# Allegro board STANDARD.brd (continued)
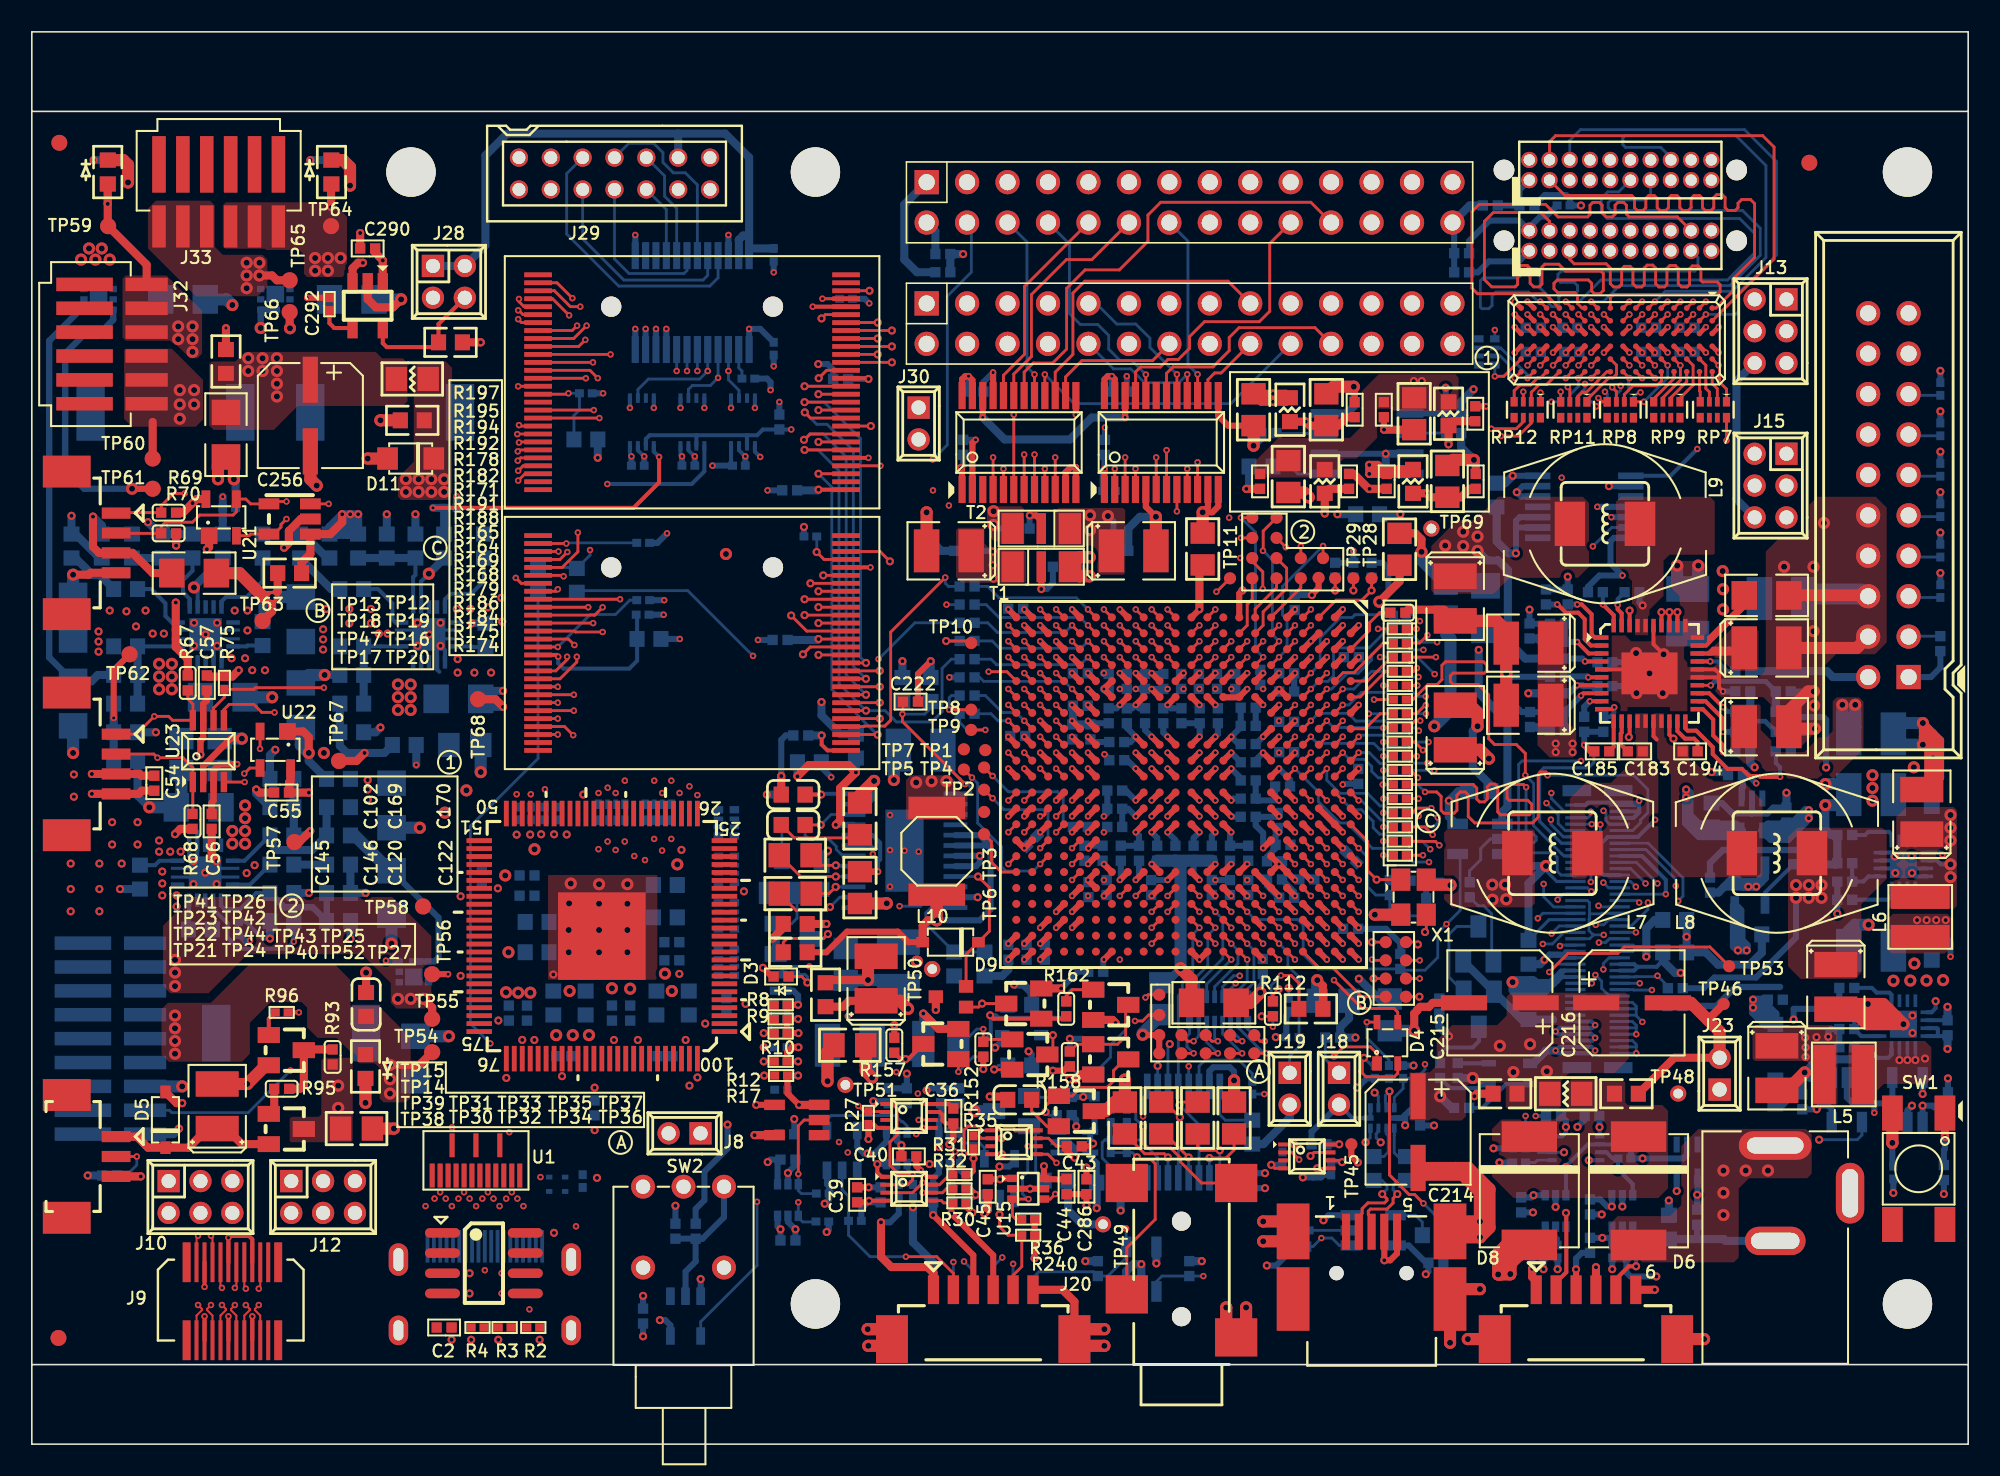
[diagram p0: board, top side]
## Routing (per net, layer and track width the routed paths; a pad name or vN(x,y) marks a point on that pad's centre or on a via; arc(x,y) is an arc through that point) (continued)
P1_A2: length 1.4
  TOP w0.178: RP7.8 v3(106.42,63.06)
P1_FIELD: length 8.8
  TOP w0.178: U7.W14 v3(64.32,38.45) ; TP4.1 v3(60.34,41.98)
  BOTTOM w0.178: v3(64.32,38.45) 64.77,38.89 64.77,40.65 64.42,40.99 61.33,40.99 v3(60.34,41.98)
P1P2V: length 87.2
  TOP w0.381: U7.U17 v3(66.32,35.45) U7.U18 ; U7.U16 v3(66.32,36.45) ; v3(78.32,36.45) U7.E17 v3(79.32,35.45) ; v3(78.32,36.45) U7.F16 ; v3(78.32,36.45) U7.F17 ; U7.F5 v3(78.32,48.45) ; U7.R17 v3(68.32,35.45) ; U7.F12 v3(78.32,40.45) ; U7.N17 v3(70.32,36.45) ; U7.U5 v3(66.32,48.45) ; U7.M6 v3(71.32,46.45) ; U7.M5 v3(72.32,48.45) ; U7.K17 v3(74.32,36.45) ; U7.G6 v3(77.32,46.45) ; U7.L17 v3(73.32,35.45) ; U7.F7 v3(78.32,46.45) ; U7.P6 v3(69.32,46.45) ; U7.R6 v3(68.32,46.45) ; U7.G5 v3(77.32,48.45) ; U7.P17 v3(69.32,35.45) ; U7.U6 v3(66.32,47.45) ; U7.G17 U7.F18 v3(78.32,34.45) ; U7.K6 v3(74.32,46.45) ; U7.E12 v3(79.32,40.45) ; U7.U7 v3(66.32,46.45) ; U7.L6 v3(73.32,46.45) ; U7.E6 v3(78.32,47.45) U7.F6
  TOP w0.508: 84.8,61.25 C120.1 ; 84.8,61.25 84.52,61.53 v1(83.99,61.53) ; 84.8,61.25 85.37,61.25 ; C120.1 85.37,61.25 ; C120.1 84.56,60.96 ; C120.1 85.82,60.96 ; v1(83.99,61.53) v1(83.99,60.96) 84.56,60.96 ; v1(83.99,61.53) 84.56,60.96 ; FB1.1 78.76,65.5 v1(77.95,65.5) 77.22,65.5 C100.1 v1(77.95,66) ; FB1.1 78.76,66 v1(77.95,66) ; FB1.1 78.2,65.75 v1(77.95,66) ; 85.37,61.25 86.1,61.25 ; 85.82,60.96 86.46,60.96 FB2.1 86.1,61.25 ; 85.82,60.96 86.1,61.25
  TOP w0.762: v2(72.14,29.89) 72.15,29.89 72.83,29.21 C103.1 ; v2(91.5,43.07) 90.95,43.63 C184.2
  4--SIG w0.381: v3(72.32,48.45) 71.83,47.95 71.83,46.95 v3(71.32,46.45)
  6-SIG w0.38: v1(83.33,29.24) 82.64,29.94 72.19,29.94 v2(72.14,29.89)
  BOTTOM w0.38: C97.1 C86.1 ; C95.1 C112.1 76.97,40.45 v3(78.32,40.45) 78.08,40.7 C108.1
  BOTTOM w0.381: C118.1 70.54,36.66 v3(70.32,36.45) ; v3(71.32,46.45) 71.54,46.24 C119.1 ; v3(68.32,35.45) 68.39,35.51 C94.1 ; C96.1 69.11,46.24 v3(69.32,46.45) 69.54,46.24 C116.1 ; C86.1 77.03,46.45 v3(77.32,46.45) ; C88.1 77.57,35.1 C104.1 ; v3(73.32,35.45) 72.96,35.81 C92.1 ; C78.1 60.29,56.13 v1(60.34,56.08) ; C93.1 69.53,35.66 v3(69.32,35.45) ; C98.1 68.11,46.24 v3(68.32,46.45)
  BOTTOM w0.508: C84.1 84.61,27.97 v1(83.33,29.24) ; v2(72.14,29.89) 71.24,28.99 C85.1 ; R115.2 v1(93.98,47.18)
  BOTTOM w0.762: C91.1 72.14,36.34 v2(72.14,29.89) ; C91.1 C118.1 ; C91.1 C92.1 C105.1
  vias: v1(60.34,55.23) v1(60.39,54.38) v2(91.72,35.16) v2(91.73,34.21) v2(92.52,35.16) v2(92.59,34.24)
P1P2V_FPD: length 7.4
  TOP w0.381: U7.U11 v3(66.32,42.45) ; U7.V12 v3(65.32,40.45) ; U7.V11 v3(65.32,42.45) ; U7.U12 v3(66.32,40.45)
  TOP w0.76: v2(66.43,55.73) 65.79,55.73 T1.3 65.79,54.53 v2(66.43,54.53)
  BOTTOM w0.381: C80.1 65.83,55.13 v2(66.43,54.53)
P1P2V_PLLD: length 32.6
  TOP w0.381: U7.E13 v3(79.32,39.45)
  TOP w0.508: C122.2 90.29,60.03 89.76,59.5 C121.1 87.85,59.5 v1(87.6,59.74) FB2.2
  6-SIG w0.381: v1(87.6,59.74) 87.19,59.33 81.14,59.33 80.25,58.44 80.25,56.04 78.83,54.62 78.83,39.95 v3(79.32,39.45)
P1P2V_PLLM: length 32.8
  TOP w0.381: U7.E14 v3(79.32,38.45)
  TOP w0.508: C102.2 82.58,64.53 82.05,64 C101.1 80.26,64 v1(80.01,64.25) FB1.2
  6-SIG w0.381: v3(79.32,38.45) 78.82,38.95 78.12,38.95 77.83,39.24 77.83,62.07 v1(80.01,64.25)
P1P8V_LDO: length 122.4
  4--SIG w0.508: v1(87.29,66.8) 87.19,66.7 87.19,66.4 ; v1(87.29,66.8) 87.16,66.8 ; v1(87.29,66.8) 87.29,64.93 ; 87.16,66.8 86.79,66.43 ; 87.16,66.8 v1(86.79,66.8) ; 86.97,60.69 87.29,61.01 87.29,61.32 ; 86.97,60.69 85.18,58.9 ; 86.97,60.69 86.97,61 ; 91.7,47.65 92.42,47.65 94.24,45.82 97.22,45.82 101.9,41.13 v1(103.89,41.13) v1(103.89,40.63) 101.74,40.63 96.99,45.39 94.12,45.39 92.26,47.24 91.2,47.24 89.47,48.97 89.47,51.13 ; 91.7,47.65 91.3,47.65 90.05,48.89 ; 91.7,47.65 90.05,49.3 ; 86.79,66.43 86.79,62.63 ; 86.79,66.43 v1(86.79,66.8) ; 87.19,64.83 86.97,64.61 86.97,62.45 ; 87.19,64.83 87.19,66.4 ; 87.19,64.83 87.29,64.93 ; 85.18,56.26 85.18,58.44 ; 85.18,56.26 85.48,55.95 ; 85.18,56.26 85.18,55.95 ; 85.18,58.44 85.18,58.9 ; 85.18,58.44 84.95,58.67 ; 89.81,51.62 89.81,49.13 90.05,48.89 ; 89.81,51.62 85.48,55.95 ; 89.81,51.62 90.05,51.38 90.05,49.3 ; 87.19,66.4 v1(86.79,66.8) ; 89.47,51.13 89.47,51.66 85.18,55.95 ; 89.47,51.13 84.57,56.03 84.57,59.13 86.79,61.35 86.79,62.63 ; 85.18,58.9 84.95,58.67 ; 85.48,55.95 85.18,55.95 ; 86.97,61 84.95,58.98 84.95,58.67 ; 86.97,61 87.29,61.32 ; 86.97,61 86.97,62.45 ; 84.95,58.67 84.95,56.18 85.18,55.95 ; 86.79,62.63 86.97,62.45 ; 87.29,64.93 87.29,61.32 ; 90.05,49.3 90.05,48.89
  BOTTOM w0.508: 107.16,38.78 U34.5 107.26,38.46 ; 107.16,38.78 C189.2 104.84,38.78 ; 107.16,38.78 107.01,38.93 104.69,38.93 ; 104.71,38.21 103.89,39.03 103.89,39.73 ; 104.71,38.21 105.41,38.21 ; 104.71,38.21 104.96,38.46 107.26,38.46 ; 104.09,39.53 104.69,38.93 ; 104.09,39.53 104.09,40.93 v1(103.89,41.13) v1(103.89,40.63) 103.89,39.73 ; 104.09,39.53 103.89,39.73 ; 104.69,38.93 104.84,38.78 ; 104.84,38.78 105.41,38.21 ; 107.26,38.46 107.02,38.21 105.41,38.21
P1P8V_LED: length 8.2
  TOP w0.254: U50.5 22.04,69.18 22.29,68.93 25.24,68.93 C291.2 25.54,70.38 J28.4
P1P8V_TIN: length 67.6
  4--SIG w0.508: v1(66.87,14.83) 66.87,14.71 64.65,12.49 46.8,12.49 42.93,8.62 32.68,8.62 31.59,7.53 25.88,7.53 24.8,8.61 21.71,8.61 20.29,10.03 J12.6
  6-SIG w0.508: J10.6 13.89,13.23 18.99,13.23 J12.6
  BOTTOM w0.381: C287.2 66.87,17.66 66.47,18.07 U48.5
  BOTTOM w0.508: C287.2 v1(66.87,14.83)
P1P8V_TOUT: length 59.9
  6-SIG w0.508: v1(102.8,15.31) 103.3,15.81 v1(103.3,15.91) 103.68,16.29 103.68,18.32 109.99,24.63 109.99,39.59 110.86,40.46 110.86,55.56 J15.6
  BOTTOM w0.38: U49.5 v1(103.3,15.91)
  BOTTOM w0.508: C289.2 v1(102.8,15.31) ; J13.6 107.05,66.79 107.05,59.37 J15.6
P1P9V: length 58.1
  TOP w0.381: U7.E10 v3(79.32,43.45) ; U7.A4 v3(83.32,49.45) ; U7.E8 v3(79.32,45.45) ; U7.F10 v3(77.32,43.45) ; U7.F8 v3(77.32,44.45) ; U7.A11 v3(83.32,42.45)
  3-SIG w0.508: v2(111.59,34.33) 111.59,32.88 106.34,27.63 98.28,27.63 95.48,30.43 v1(94.99,30.43)
  BOTTOM w0.254: J27.P17 96.32,30.96 96.12,30.76 95.99,30.76 96.19,30.56 J27.P16
  BOTTOM w0.38: v2(110.79,34.33) 110.79,31.83 108.28,29.32 105.66,29.32 104.99,28.65 R189.1
  BOTTOM w0.381: C173.1 76.86,43.99 v3(77.32,44.45) ; C174.1 76.86,42.98 v3(77.32,43.45) ; v1(112.68,42.52) 112.68,45.51 112.52,45.68 110.8,45.68 R121.2
  BOTTOM w0.4: 95.99,30.76 95.32,30.76 v1(94.99,30.43)
  BOTTOM w0.508: C242.2 94.72,30.16 v1(94.99,30.43)
  BOTTOM w0.76: C178.1 90.68,51.13 89.78,52.03 C171.1 88.83,51.99 88.83,50.87 89.09,50.62 89.09,46.12 v2(88.07,45.11)
  vias: v2(110.79,35.13) v2(111.59,35.13) v2(112.39,35.13) v2(112.39,34.33)
P2_CLK: length 3.8
  TOP w0.178: TP6.1 60.26,37.87 60.26,36.57 60.88,35.95 U7.AB17
P2P5V: length 108.2
  3-SIG w0.508: TP69.1 88.6,58.24 v3(99.19,58.24)
  4--SIG w0.508: v1(111.59,39.83) 111.59,42.9 106.16,48.33 105.19,48.33 104.25,49.27 104.25,53.18 v3(99.19,58.24) ; v1(111.59,39.83) v1(111.59,39.33) 109.84,37.58 109.84,33.12 107.75,31.03 v1(107.69,31.03) 107.69,28.33 ; v1(111.59,39.83) 109.38,37.62 109.38,33.27 107.6,31.49 ; 107.69,28.33 107.6,28.42 107.6,31.49 ; 107.69,28.33 v1(108.09,27.93) v1(108.09,27.43) 107.14,28.38 v1(107.14,31.03) 107.6,31.49
  BOTTOM w0.381: U37.5 v3(99.19,58.24)
  BOTTOM w0.508: C187.1 110.02,39.06 109.84,38.88 ; C187.1 110.06,38.93 109.04,38.93 U34.4 ; C187.1 110.82,39.06 ; C187.1 110.19,38.23 109.79,38.23 ; 109.01,38.23 109.79,38.23 ; 109.01,38.23 U34.4 ; 109.01,38.23 109.21,38.03 109.59,38.03 ; 109.79,38.23 109.84,38.28 ; 109.79,38.23 109.59,38.03 ; 107.14,31.88 107.69,31.33 v1(107.69,31.03) ; 107.14,31.88 107.14,31.58 ; 107.14,31.88 C234.2 ; 111.32,39.06 110.82,39.06 ; 111.32,39.06 110.29,38.03 109.59,38.03 ; 111.32,39.06 v1(111.59,39.33) v1(111.59,39.83) ; 110.82,39.06 111.24,39.48 ; 108.84,26.38 FB6.1 109.49,27.03 ; 108.84,26.38 109.24,26.78 ; 108.84,26.38 108.44,26.78 ; 108.69,27.93 v1(108.09,27.93) v1(108.09,27.43) ; 108.69,27.93 108.69,27.03 ; 108.69,27.93 C239.2 109.02,27.5 109.49,27.03 ; U39.5 106.89,33.83 106.89,32.78 ; U39.5 106.94,32.83 ; U39.5 107.14,33.68 ; 108.69,27.03 108.59,27.13 108.59,27.43 ; 108.69,27.03 108.44,26.78 ; 106.94,32.83 106.89,32.78 ; 106.94,32.83 106.94,32.23 C234.2 ; C234.2 107.29,32.18 ; C234.2 106.89,31.78 ; C234.2 107.14,33.68 ; 107.29,32.18 107.29,31.43 ; 107.29,32.18 107.29,33.53 107.14,33.68 ; v1(108.09,27.43) 108.09,27.13 108.44,26.78 ; v1(108.09,27.43) 108.59,27.43 ; 107.14,31.58 v1(107.14,31.03) ; 107.14,31.58 107.29,31.43 ; 106.89,32.78 106.89,31.78 ; 111.24,39.48 v1(111.59,39.83) ; 111.24,39.48 111.04,39.48 ; 111.04,39.48 110.44,38.88 ; 111.04,39.48 111.39,39.83 v1(111.59,39.83) ; 110.44,38.88 109.84,38.28 ; 110.44,38.88 109.84,38.88 ; 109.84,38.28 109.84,38.88 ; 109.49,27.03 109.24,26.78 ; 109.84,38.88 109.53,38.57 U34.4 ; v1(107.14,31.03) 106.89,31.28 106.89,31.78 ; v1(107.14,31.03) v1(107.69,31.03) ; 108.59,27.43 109.24,26.78 ; 108.44,26.78 109.24,26.78 ; v1(107.69,31.03) 107.29,31.43
P3_CLK: length 10.5
  TOP w0.178: TP5.1 v3(59.04,41.88) ; U7.Y16 v3(63.32,36.45)
  BOTTOM w0.178: v3(63.32,36.45) 62.89,36.01 61.17,36.01 60.89,36.29 60.89,37.53 59.4,39.03 59.4,41.53 v3(59.04,41.88)
P3P3V: length 272.9
  TOP w0.178: v1(82.1,18.84) 82.09,18.83 U25.8 ; U20.43 v1(49.4,50.59)
  TOP w0.245: U20.29 49.97,43.59 49.6,43.96 v1(49.6,44.53)
  TOP w0.254: v1(53.1,17.6) 53.1,17.07 53.36,16.8 U12.1 ; v1(55.99,21.53) 56.15,21.37 U10.8 57.59,21.37 C36.1 ; U19.29 v1(49.4,59.97) ; v1(52.54,66.93) 52.5,66.97 U19.43 ; U14.8 61.77,19.72 61.61,19.88 v1(60.86,19.88)
  TOP w0.35: U6.L4 v3(97.13,68.58) ; U6.P4 v3(94.73,68.58) ; U6.F4 v3(101.93,68.58) ; U6.C4 v3(104.33,68.58)
  TOP w0.38: C286.1 v1(66.23,17.38) ; U15.1 60.86,16.7 v1(60.81,16.65) C45.1 ; v1(66.64,18.89) 66.63,18.89 66.46,18.72 C43.1 ; v1(59.07,14.55) 58.65,14.96 R30.1 ; C39.1 52.52,16.14 52.53,16.14 v1(52.55,16.14)
  TOP w0.381: U7.H17 v3(76.32,36.45) ; U9.1 v3(67.36,61.28) ; U7.AA22 v3(62.32,30.45) ; U7.N18 v3(70.32,34.45) ; U7.K5 v3(74.32,48.45) ; U7.AB1 v3(61.32,52.45) ; U7.T17 v3(67.32,36.45) ; U7.T18 v3(67.32,34.45) ; U7.K18 v3(74.32,34.45) ; U7.E1 v3(79.32,52.45) ; U7.V9 v3(65.32,44.45) ; U7.G22 v3(77.32,30.45) ; U8.1 58.42,61.25 v1(58.34,61.33) ; U7.AB15 v3(62.32,37.45) U7.AA15 ; U7.J5 v3(75.32,48.45) ; U7.V1 v3(65.32,52.45) ; U7.T6 v3(67.32,47.45) 67.82,47.95 U7.T5 ; U7.J6 74.84,46.93 75.8,46.93 U7.H6 v3(76.32,47.45) ; U7.T22 v3(67.32,30.45) ; U7.L5 v3(73.32,48.45) ; U7.U9 v3(66.32,44.45) ; U7.U14 v3(66.32,38.45) ; U7.P5 v3(69.32,48.45) ; U7.A16 v3(83.32,36.45) ; U7.F15 v3(77.32,37.45) ; U7.R5 v3(68.32,48.45) ; U7.H18 v3(76.32,34.45) ; U7.L1 v3(73.32,52.45) ; U7.E15 v3(79.32,37.45) ; U7.AB9 v3(61.32,44.45) ; U7.Y22 v3(63.32,30.45) ; U7.A20 v3(83.32,32.45) ; U7.AB21 v3(61.32,31.45) ; U7.N5 v3(70.32,48.45) ; U7.J17 v3(75.32,36.45) ; U7.F13 v3(78.32,39.45) ; U7.H5 v3(76.32,48.45) ; U7.J18 v3(75.32,34.45)
  TOP w0.4: v1(10.59,43.33) 10.59,44.21 10.76,44.38 U23.7 10.76,46.5 10.99,46.73 C57.1
  TOP w0.508: v1(19.49,58.43) 19.49,57.93 18.74,57.18 U44.1 17.49,55.93 16.94,55.38 C251.2 ; C54.2 6.88,42 6.77,42.11 J17.3 v1(3.77,42.11) ; U21.4 10.34,59.38 v1(10.09,59.13) 9.49,58.53 R69.2 ; R67.2 9.79,49.33 9.04,50.08 v1(9.04,52.88) ; R68.2 9.32,38.66 v1(8.99,38.33) ; U50.1 v1(22.04,74.38) 21.56,74.86 C290.1 ; U50.3 20.14,73.88 20.49,74.23 v1(20.79,74.23) ; C252.2 7.59,54.73 6.32,56 J16.3 4.22,56 3.84,56.38 v1(3.84,58.28) ; v3(73.32,52.45) 73.32,55.04 C125.1 ; C124.1 85.89,54.2 v2(84.62,52.93) ; 46.64,19.42 v1(45.38,19.42) ; R70.2 v1(9.06,56.46) ; v1(17.4,40.94) C55.2 16.15,41.57 16.25,41.67 U22.4
  3-SIG w0.381: v3(67.32,36.45) 66.83,35.95 66.83,34.94 v3(67.32,34.45)
  3-SIG w0.508: v1(35.49,16.73) 32.79,14.03 v1(32.79,13.28)
  6-SIG w0.508: v1(32.79,13.28) 32.79,7.46 v1(31.89,6.56)
  BOTTOM w0.245: v3(37.65,62.07) 37.56,62.16 U43.8 ; U41.8 40.73,62.16 v3(40.83,62.07)
  BOTTOM w0.254: C246.1 43.91,61.58 U40.8 ; 86.24,20.43 86.18,20.49 86.06,20.49 ; v1(98.45,19.92) 98.46,19.91 U18.1 ; C142.1 120.29,26.64 U29.14
  BOTTOM w0.38: U55.5 40.1,7.47 39.78,7.79 v1(39.44,7.79) ; C48.1 98.49,15.38 98.94,14.93 v1(99.22,14.93) 99.23,14.94 U17.1 ; U31.5 v1(118.74,22.01) ; C63.1 v1(82.1,18.84) ; C65.1 86.54,20.96 86.24,20.67 ; U27.10 86.06,20.49 86.24,20.67 ; C298.1 v1(38.39,6.78) ; v1(46.21,17.73) 46.37,17.88 C4.1 46.83,17.7 U4.1 ; R37.1 v1(95.82,10.99) ; U32.5 113.03,21.04 112.79,21.28 112.33,21.28 v1(112.09,21.04) C77.2 ; v1(86.24,20.04) 86.24,20.67 ; C76.2 v1(120.33,22.98) ; R233.1 41.69,14.78 42.24,15.33 42.24,17.13 43.69,18.58 v1(43.69,20.08) ; v1(52.55,16.14) 52.65,16.14 52.65,16.14 C37.1 ; v1(87.54,10.68) 87.7,10.84 C64.2 87.55,11.4 86.47,12.48 U26.5 ; v1(102.02,10.54) 100.39,10.54 100.14,10.79 R39.1 ; R81.2 R79.2 ; R41.1 v1(92.16,17.7) ; v1(66.64,18.89) 66.47,19.07 U48.4 66.74,19.89 C147.1 ; U49.4 104.6,15.68 v1(104.58,15.67) C288.1 ; v1(83.25,22.4) 83.84,22.99 R73.2 R72.2 ; v1(77.56,11.22) 78.14,11.22 79.09,12.18 R85.2 79.09,13.11 R88.1 ; R236.2 R99.2 ; R102.1 v1(116.9,15.79) ; U13.6 v1(56.37,17.6) ; U16.1 v1(94.31,15.64) 94.17,15.5 C46.1 ; U11.6 v1(53.1,17.6) ; C58.2 v1(77.44,17.03)
  BOTTOM w0.381: R107.1 v1(119.85,62.36) ; v3(78.32,39.45) 78.29,39.42 C152.1 76.86,38.87 77.32,38.4 v3(77.32,37.45) ; v1(58.34,61.33) 58.49,61.48 C33.1 ; v3(69.32,48.45) 69.38,48.4 C143.1 ; R108.1 v1(119.85,64.9) ; C249.1 v3(40.83,62.07) ; R105.1 v1(119.85,57.28) ; C163.1 66.65,44.12 C149.1 ; v3(67.32,39.45) 67.54,39.66 C167.1 C156.1 ; v2(84.62,52.93) 85.19,53.5 85.19,55.03 84.84,55.38 R80.2 ; C151.1 70.38,48.4 v3(70.32,48.45) ; R103.2 119.85,48.8 119.26,48.2 J24.1 ; C81.1 67.92,57.97 v2(67.57,58.31) ; C138.1 85.04,32.38 85.94,31.48 R234.1 ; R48.1 v3(35.88,66.03) ; R198.1 v3(46.95,65.49) ; U13.6 56.97,17.05 56.6,16.68 C41.1 ; v3(67.32,30.45) 67.28,30.41 C165.1 ; C141.1 66.32,38.46 v3(66.32,38.45) ; R51.1 v3(39.68,52.12) ; C50.1 v1(98.45,19.92) ; C166.1 67.54,38.66 v3(67.32,38.45) ; v3(46.39,66.23) 46.39,66.73 46.17,66.95 R199.1 ; R106.1 v1(119.85,59.82) ; C250.1 v3(37.65,62.07) ; R236.2 112.99,26.08 112.81,25.9 v1(112.81,25.6) ; R79.2 v3(82.99,56.13) ; v3(67.36,43.35) 67.66,43.05 C161.1 ; R109.1 v1(119.85,67.44) ; U37.2 v1(99.04,60.19) ; C34.1 67.36,62.13 v3(67.36,61.28) 67.25,61.17 R26.1 ; v3(52.59,71.68) 52.31,71.96 R49.1 ; R104.1 v1(119.85,54.74) ; v1(93,60.84) U37.14 ; U42.1 v3(45.04,70.08) 45.75,70.08 C247.1 ; C135.1 68.38,48.4 v3(68.32,48.45) ; C284.2 v1(52.54,66.93) ; R52.1 v1(48.49,57.63) ; v3(42.74,61.48) C246.1
  BOTTOM w0.508: 19.89,57.83 19.34,57.83 C282.2 ; 19.89,57.83 v1(20.49,58.43) ; 19.89,57.83 19.19,57.13 ; U30.5 v1(70.62,11.36) ; 108.59,35.33 108.59,35.53 ; 108.59,35.33 108.84,35.58 108.84,35.78 ; 108.59,35.33 v1(108.29,35.03) 108.09,35.03 ; 108.59,35.33 107.19,35.33 ; 108.59,35.53 108.09,35.03 ; 108.59,35.53 108.84,35.78 ; v1(45.38,19.42) 46.88,19.42 C5.1 ; 19.89,57.13 20.44,57.13 R224.2 20.49,57.73 ; 19.89,57.13 20.49,57.73 ; 19.89,57.13 19.19,57.13 ; 107.59,35.03 107.49,35.03 ; 107.59,35.03 v1(107.79,35.03) 108.09,35.03 ; 107.59,35.03 106.94,35.68 ; 107.49,35.03 107.19,35.33 ; 107.49,35.03 106.29,35.03 ; J24.2 113.11,48.2 112.74,48.57 R131.1 ; C154.1 67.33,47.46 v3(67.32,47.45) ; 19.19,57.13 18.74,57.13 ; 18.74,57.13 C282.2 ; 18.74,57.13 18.69,57.13 v1(19.99,58.43) ; v1(83.12,25.55) R71.2 82.17,26.21 82.72,26.76 C123.1 ; R120.1 89.76,65.5 v1(90.54,66.28) ; v1(93,60.84) 92.54,60.38 C211.2 ; C282.2 18.69,57.63 v1(19.49,58.43) v1(19.99,58.43) ; 106.59,35.33 107.19,35.33 ; 106.59,35.33 106.94,35.68 ; 106.59,35.33 106.29,35.03 ; 106.94,35.68 U39.1 ; v1(20.49,58.43) 20.49,57.73 ; v1(20.49,58.43) v1(19.99,58.43) ; R117.1 106.32,42.23 v1(105.49,42.23) ; C285.2 49.34,50.53 v1(49.4,50.59) ; R94.2 v1(3.51,16.88) ; R101.2 v1(66.16,11.5) ; C52.2 49.36,59.93 v1(49.4,59.97) ; C53.2 v1(49.6,44.53) ; 108.84,35.78 U39.3 ; R213.2 C273.2 4.39,57.73 v1(3.84,58.28) ; v1(120.3,27.48) C142.1 ; 106.29,35.03 105.92,34.66 C233.2 ; U36.5 89.44,38.98 88.99,39.43 v1(88.99,40.43) 89.59,41.03 C208.2 ; C129.1 75.52,48.45 v3(75.32,48.45) ; J19.2 78.99,20.51 77.34,18.85 R76.2 ; R202.2 v1(20.01,31.75)
  BOTTOM w0.76: J31.3 v2(9.44,22.48)
  vias: v1(4.19,51.07) v1(4.19,50.43) v1(4.19,49.8) v1(18.29,51.2) v1(18.29,50.57) v1(18.29,49.93) v1(21.09,41.73) v1(21.09,41.13) v1(21.09,40.5) v1(26.36,6.56) v1(27.59,6.56) v1(29.29,6.56) v1(35.34,22.4) v1(41.3,22.53) v1(41.8,23.04) v1(111.36,25.55) v1(111.39,24.93) v1(111.39,24.33) v1(112.08,25.57) v2(29.78,28.39) v2(30.54,28.37) v2(31.3,28.37) v2(31.57,37.38) v2(36.43,28.64) v2(37.57,28.62) v2(39.76,29.56) v2(66.46,58.37) v2(66.46,57.43) v3(25.29,15.43) v3(25.99,15.43) v3(26.39,19.91) v3(26.79,15.43) v3(27.49,15.43) v3(28.29,15.43) v3(28.99,15.43) v3(29.5,10.74) v3(29.5,9.47) v3(29.79,15.43) v3(29.98,19.61) v3(30.49,15.43) v3(34.17,13.69) v3(68.32,30.45)
P3P3V_FPD: length 4.3
  TOP w0.178: v2(60.4,58.62) 60.46,58.62 60.46,58.66
  TOP w0.381: U7.U10 v3(66.32,43.45) ; U7.V10 v3(65.32,43.45) ; U7.U13 v3(66.32,39.45) ; U7.V13 v3(65.32,39.45)
  BOTTOM w0.381: v2(60.4,57.76) 60.62,57.53 C83.1
PG_P1P8V_LDO: length 26.7
  4--SIG w0.381: v3(98.31,58.89) 98.31,57.14 101.71,53.74 101.71,51.74 103.21,50.24 103.21,45.69 107.38,41.53 v3(108.29,41.53)
  BOTTOM w0.381: U37.4 v3(98.31,58.89) ; U34.1 107.38,41.22 107.46,41.3 R117.2 107.79,42.03 v3(108.29,41.53)
PG_P12V_TDS: length 33.7
  4--SIG w0.508: v1(90.87,49.91) 91.65,50.69 91.65,58.87 89.77,60.75 89.77,65.4 v1(88.79,66.38)
  BOTTOM w0.381: 88.79,64.76 R120.2 ; 88.79,64.76 v1(88.79,66.38) ; 88.79,64.76 88.78,64.77 U35.5
  BOTTOM w0.508: v1(90.87,49.91) 90.87,47.19 92.67,45.39 92.67,40.05 92.34,39.72 U36.1
PGOOD_TPS: length 21.2
  TOP w0.254: U33.27 v3(105.4,49.18)
  4--SIG w0.254: v3(105.4,49.18) 105.4,61.72 v3(104.59,62.53)
  BOTTOM w0.254: R131.2 106.48,48.57 105.87,49.18 v3(105.4,49.18) ; v3(104.59,62.53) 102.9,60.84 U37.1
PM_ADR_0: length 31.4
  TOP w0.178: U7.AB7 v3(61.32,46.45) ; U19.31 v1(49.4,60.97) ; U20.31 53.11,44.59 v1(53.12,44.57)
  4--SIG w0.122: v1(53.12,44.57) 56.73,44.57 58.6,46.45 v3(61.32,46.45)
  BOTTOM w0.178: v1(49.4,60.97) 50.24,60.13 50.24,47.43 53.1,44.57 v1(53.12,44.57)
PM_ADR_1: length 52.3
  TOP w0.178: U7.AA7 v3(62.32,46.45) ; U19.26 30.97,60.97 v3(30.54,60.55) ; U20.26 v3(33.03,44.59)
  3-SIG w0.122: v3(62.32,46.45) 61.95,46.07 59.58,46.07 57.32,43.81 52.16,43.81 50.91,45.06 33.49,45.06 v3(33.03,44.59) 30.09,47.53 30.09,53.38 29.49,53.98 29.49,59.49 v3(30.54,60.55)
PM_ADR_2: length 58.6
  TOP w0.178: U7.W8 v3(64.32,45.45) ; v3(30.54,61.16) 30.85,61.47 U19.25 ; U20.25 33.45,45.09 v3(34,44.55)
  3-SIG w0.122: v3(30.54,61.16) 28.22,58.84 28.22,46.9 30.9,44.22 33.67,44.22 v3(34,44.55) 48.82,44.55 49.86,43.51 57.57,43.51 59.52,45.46 60.54,45.46 60.92,45.08 63.96,45.08 v3(64.32,45.45)
PM_ADR_3: length 51.9
  TOP w0.178: U20.24 v3(33.03,45.59) ; U19.24 30.69,61.97 v3(30.52,61.79) ; U7.AB6 v3(61.32,47.45)
  3-SIG w0.122: v3(61.32,47.45) 60.42,47.45 57.08,44.11 52.36,44.11 50.88,45.59 v3(33.03,45.59) 32.58,45.59 30.49,47.68 30.49,53.58 29.89,54.18 29.89,59.23 30.91,60.25 30.91,61.4 v3(30.52,61.79)
PM_ADR_4: length 54.7
  TOP w0.178: v3(30.52,62.38) 30.61,62.47 U19.23 ; U20.23 v3(34.04,46.09) ; U7.Y7 v3(63.32,46.45)
  3-SIG w0.122: v3(63.32,46.45) 62.86,46.91 62.21,46.91 61.81,47.32 61.81,47.5 61.49,47.81 60.17,47.81 57.49,45.13 51.89,45.13 50.87,46.15 34.1,46.15 v3(34.04,46.09) 32.73,46.09 30.82,48 30.82,59.61 31.3,60.09 31.3,61.59 v3(30.52,62.38)
PM_ADR_5: length 52.1
  TOP w0.178: v3(30.59,62.94) 30.63,62.97 U19.22 ; U20.22 v3(33.03,46.59) ; U7.AA6 v3(62.32,47.45)
  3-SIG w0.122: v3(62.32,47.45) 62.14,47.64 61.99,47.64 61.59,48.04 60.34,48.04 59.8,48.04 58.37,46.61 54.67,46.61 54.13,46.07 53.1,46.07 52.59,46.58 51.69,46.58 51.16,47.11 35.6,47.11 35.07,46.59 v3(33.03,46.59) 32.78,46.59 31.07,48.29 31.07,59.26 31.63,59.82 31.63,61.9 v3(30.59,62.94)
PM_ADR_6: length 51.6
  TOP w0.178: v3(60.09,48.54) 61.24,48.54 U7.AB5 ; v3(30.48,63.46) 30.49,63.46 30.5,63.47 U19.21 ; U20.21 v3(34.04,47.09)
  3-SIG w0.122: v3(30.48,63.46) 30.58,63.46 32.06,61.98 32.06,59.7 31.33,58.97 31.33,48.77 33.01,47.09 v3(34.04,47.09) 34.96,47.09 35.39,47.52 52.66,47.52 53.02,47.16 57.82,47.16 59.19,48.54 v3(60.09,48.54)
PM_ADR_7: length 54.7
  TOP w0.178: U19.20 30.65,63.97 v3(30.59,64.03) ; U7.W7 v3(64.32,46.45) ; U20.20 v3(33.03,47.59)
  3-SIG w0.122: v3(64.32,46.45) 63.76,47.01 63.18,47.01 62.82,47.37 62.82,47.52 62.48,47.86 62.08,47.86 61.56,48.38 60.83,48.38 60.31,48.9 57.42,48.9 56.6,48.08 53.1,48.08 52.56,48.61 35.85,48.61 34.83,47.59 v3(33.03,47.59) 31.61,49.01 31.61,58.7 32.42,59.51 32.42,62.2 v3(30.59,64.03)
PM_ADR_8: length 57.4
  TOP w0.178: v3(34.94,52.59) 31.8,52.59 U20.10 ; U19.10 34.34,68.97 v3(34.76,69.39) ; U7.Y6 v3(63.32,47.45)
  3-SIG w0.122: v3(34.94,52.59) 35.9,51.63 48.68,51.63 49.29,51.02 52.11,51.02 54.37,48.76 56.65,48.76 57.06,49.17 60.59,49.17 61.15,48.61 61.64,48.61 62.17,48.08 62.69,48.08 v3(63.32,47.45)
  4--SIG w0.122: v3(34.94,52.59) 36.23,53.88 36.99,53.88 37.69,54.58 37.69,56.08 36.94,56.83 36.94,67.21 v3(34.76,69.39)
PM_ADR_9: length 57.1
  TOP w0.178: v3(36.94,53.09) U20.9 ; U19.9 34.03,69.47 v3(34.84,70.28) ; U7.AA5 v3(62.32,48.45)
  3-SIG w0.122: v3(62.32,48.45) 61.83,48.94 61.3,48.94 60.79,49.45 56.86,49.45 56.58,49.73 54.06,49.73 51.66,52.13 49.19,52.13 48.74,52.58 37.45,52.58 v3(36.94,53.09)
  4--SIG w0.122: v3(36.94,53.09) 37.23,53.09 38.97,54.83 38.97,63.09 38.47,63.6 38.47,67.79 36.82,69.43 35.69,69.43 v3(34.84,70.28)
PM_ADR_10: length 52.1
  TOP w0.178: v3(33.03,53.72) 32.9,53.59 U20.8 ; v3(34.24,70.28) 33.93,69.97 U19.8 ; U7.AB4 v3(61.32,49.45)
  3-SIG w0.122: v3(61.32,49.45) 61.02,49.75 56.98,49.75 56.56,50.18 54.34,50.18 51.44,53.08 49.24,53.08 48.6,53.72 v3(33.03,53.72)
  4--SIG w0.122: v3(34.24,70.28) 34.24,58.78 34.66,58.36 34.66,55.53 33.94,54.82 33.94,54.48 33.18,53.72 v3(33.03,53.72)
PM_ADR_11: length 68.7
  TOP w0.178: v3(30.39,54.43) 30.73,54.09 U20.7 ; U7.W6 v3(64.32,47.45) ; U19.7 30.75,70.47 v3(30.54,70.68)
  3-SIG w0.122: v3(30.54,70.68) 32.2,69.02 36.67,69.02 39.67,66.03 44.09,66.03 44.94,65.18 44.94,64.13 47.68,61.39 50.28,61.39 56.32,55.34 58.13,55.34 59.76,53.71 62.58,53.71 63.29,53 64.29,53 64.69,52.6 64.69,50.21 64.49,50.01 64.15,50.01 63.96,49.82 63.96,47.81 v3(64.32,47.45)
  4--SIG w0.122: v3(30.39,54.43) 31.43,55.47 31.43,69.8 v3(30.54,70.68)
PM_ADR_12: length 56.5
  TOP w0.178: U20.6 33.34,54.59 v3(33.39,54.53) ; v3(30.54,71.24) 30.58,71.24 30.85,70.97 U19.6 ; U7.Y5 v3(63.32,48.45)
  3-SIG w0.122: v3(63.32,48.45) 62.91,48.86 62.38,48.86 61.91,49.33 61.91,49.69 61.84,49.76 61.63,49.97 61.57,50.04 57.25,50.04 56.66,50.63 54.69,50.63 49.89,55.43 48.94,55.43 47.59,56.78 34.94,56.78 33.39,55.23 v3(33.39,54.53)
  4--SIG w0.122: v3(30.54,71.24) 31.81,69.97 31.81,56.11 v3(33.39,54.53)
PM_ADR_13: length 58.6
  TOP w0.178: U20.5 33.31,55.09 34.29,56.07 v3(34.29,57.28) ; v3(30.59,71.95) 30.59,71.79 30.91,71.47 U19.5 ; U7.AA4 v3(62.32,49.45)
  3-SIG w0.122: v3(34.29,57.28) 35.04,58.03 47.44,58.03 48.44,57.03 49.59,57.03 55.09,51.53 57.65,51.53 58.36,50.81 61.48,50.81 61.76,50.53 61.76,50.17 61.94,49.99 62.07,49.85 62.18,49.74 62.18,49.59 v3(62.32,49.45)
  4--SIG w0.122: v3(34.29,57.28) 34.29,56.07 33.84,55.62 32.98,55.62 32.24,56.36 32.24,70.3 v3(30.59,71.95)
PM_ADR_14: length 51.9
  TOP w0.178: U7.AB3 v3(61.32,50.45) ; U19.4 32.7,71.97 v3(33.74,70.93) ; U20.4 33.16,55.59 v3(33.63,56.05)
  3-SIG w0.122: v3(33.63,56.05) 35.26,57.68 47.19,57.68 48.29,56.58 49.44,56.58 54.94,51.08 57.51,51.08 58.14,50.45 v3(61.32,50.45)
  4--SIG w0.122: v3(33.63,56.05) 33.97,56.39 33.97,56.9 33.33,57.54 33.33,66.38 33.74,66.79 v3(33.74,70.93)
PM_ADR_15: length 68.6
  TOP w0.178: U19.3 32.82,72.47 33.82,71.47 v3(34.44,71.47) ; U7.W5 v3(64.32,48.45) ; U20.3 v3(33.07,56.09)
  3-SIG w0.122: v3(34.44,71.47) 36.18,69.73 37.29,69.73 38.99,68.03 43.74,68.03 46.44,65.33 46.44,63.86 48.24,62.06 50.75,62.06 56.7,56.1 58.77,56.1 59.21,55.66 62.63,55.66 65.69,52.6 65.69,49.19 65.47,48.97 64.84,48.97 v3(64.32,48.45)
  4--SIG w0.122: v3(34.44,71.47) 34.44,72.09 34.16,72.37 33.37,72.37 32.67,71.68 32.67,56.49 v3(33.07,56.09)
PM_ADR_16: length 36.2
  TOP w0.178: v1(53.88,55.47) 53.26,56.09 U20.54 ; U19.54 v1(52.6,72.47) ; U7.Y4 v3(63.32,49.45)
  3-SIG w0.122: v1(53.88,55.47) 56.12,53.23 57.69,53.23 59.11,51.81 62.48,51.81 62.8,51.49 62.8,49.97 v3(63.32,49.45)
  4--SIG w0.122: v1(53.88,55.47) 53.88,67.23 54.65,67.99 54.65,70.43 v1(52.6,72.47)
PM_ADR_17: length 57.3
  TOP w0.178: U7.AA3 v3(62.32,50.45) ; U19.19 v3(35.64,64.47) ; U20.19 33.17,48.09 34.22,49.15 v3(34.22,49.48)
  3-SIG w0.122: v3(62.32,50.45) 61.73,51.04 58.62,51.04 57.68,51.98 55.24,51.98 48.88,58.34 43.78,58.34 38.94,63.18 36.98,63.18 35.69,64.47 v3(35.64,64.47) 35.12,63.96 35.12,60.86 32.4,58.14 32.4,51.81 33.71,50.5 33.71,49.99 v3(34.22,49.48)
PM_ADR_18: length 55.5
  TOP w0.178: v3(35.29,64.97) 35.29,64.97 U19.18 ; U20.18 32.91,48.59 33.61,49.3 v3(33.61,49.48) ; U7.AB2 v3(61.32,51.45)
  3-SIG w0.122: v3(61.32,51.45) 58.82,51.45 57.89,52.38 56.19,52.38 50.14,58.43 49.25,58.43 48.85,58.82 46,58.82 41.19,63.63 37.44,63.63 36.1,64.97 v3(35.29,64.97) 35.29,64.97 34.69,64.37 34.69,61.03 32.14,58.48 32.14,51.51 33.41,50.24 33.41,49.68 v3(33.61,49.48)